# Altium PCB m-BLANC.PcbDoc (part 11 of 15)
Units mm, origin at the board's own origin, x right, y up, seen from the top; angles counter-clockwise.
Board outline 100 x 100 mm, 6 copper layers (Top Layer, InLayer1 (GND), InLayer2 (Signal), InLayer3 (PWR), InLayer4 (GND), Bottom Layer), stack 1.634 mm thick; 322 components, 563 nets, 2865 pads, 1870 vias.
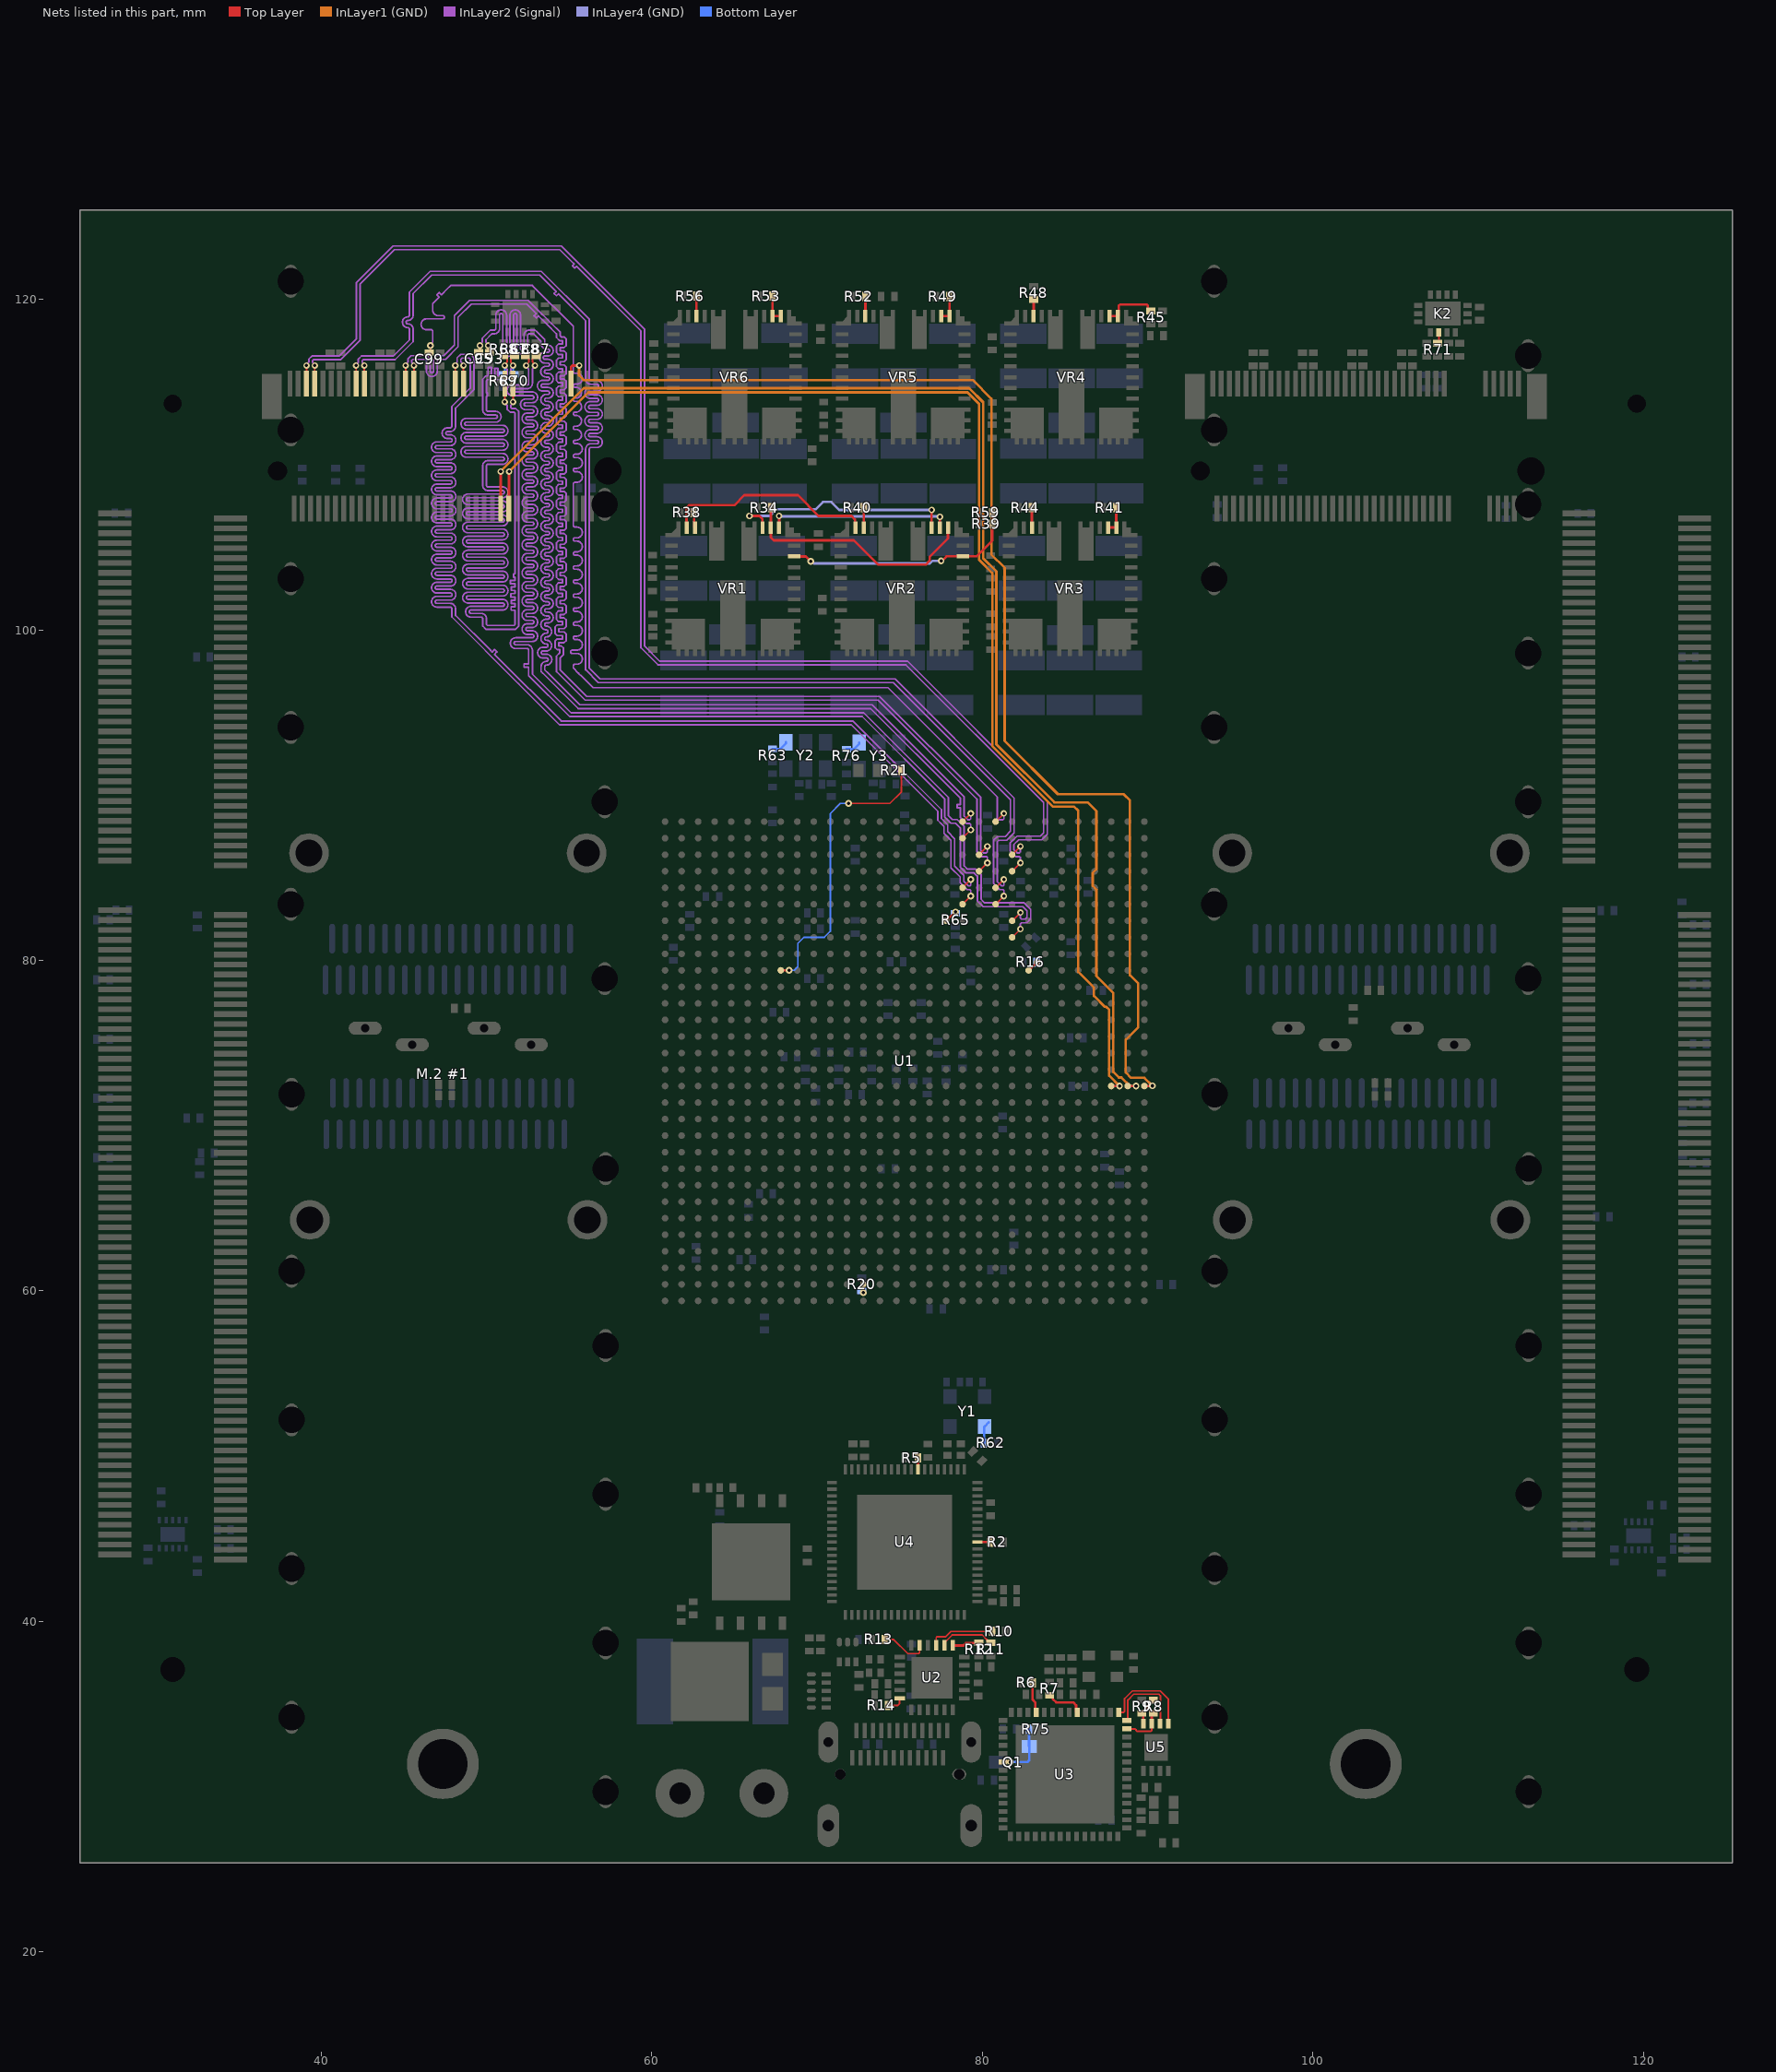
[diagram p15: the nets of this part, all layers, seen from the top]

## Via types
v1: diameter 0.4, hole 0.2, Top Layer to Bottom Layer, tented both sides, 1808 vias
v2: diameter 0.8, hole 0.4, Top Layer to Bottom Layer, tented both sides, 54 vias
v3: diameter 5, hole 3.2, Top Layer to Bottom Layer, 4 vias
v4: diameter 3.5, hole 3.2, Top Layer to Bottom Layer, 4 vias

## Nets (pads, with @x,y where several pads share a name; then routed paths per layer and width w, separated by ;. In a path a pad name is that pad's centre, name@x,y a point inside that pad or via, vN(x,y) a via of type N, cw(c..) or ccw(c..) an arc to the next point about the centre after c; other vN are vias at no path point) (continued)
NetK2_9: K2.9 R71.2 | length 0.7
  Top Layer w0.1: K2.9@107.62,117.992 107.624,117.988 R71.2@107.624,117.425
  Top Layer w0.15: R71.2@107.549,117.35 R71.2@107.62,117.421
NetQ1_1: Q1.1 R75.1 U3.20 | length 3.5
  Top Layer w0.15: U3.20@81.247,31.5 v1@81.707,31.5
  Bottom Layer w0.15: v1(81.707,31.5) 82.75,31.5 82.838,31.588 Q1.1@82.838,32.433 82.827,32.444 R75.1@82.827,33.493
NetR2_1: R2.1 U4.10 | length 0.8
  Top Layer w0.15: U4.10@79.703,44.797 U4.10@79.7,44.8 R2.1@80.5,44.8
NetR5_1: R5.1 U4.27 | length 0.8
  Top Layer w0.15: U4.27@76.1,49.2 R5.1@76.1,50
NetR6_2: R6.2 U3.11 | length 1.9
  Top Layer w0.15: R6.2@83.037,36.286 83.037,35.266 83.2,35.103 83.2,34.547 U3.11@83.247,34.5
NetR7_2: R7.2 U3.6 | length 2.4
  Top Layer w0.15: R7.2@84.07,35.535 84.145,35.535 84.27,35.41 84.27,35.291 84.462,35.1 85.5,35.1 85.672,34.928 85.672,34.575 U3.6@85.747,34.5
NetR8_1: R8.1 U3.55 U5.3 | length 2.7
  Top Layer w0.1: U3.55@88.747,33.5 89.245,33.5 89.304,33.441 89.304,33.407 89.362,33.349 90.193,33.349 90.252,33.407 U5.3@90.252,33.821
  Top Layer w0.15: U5.3@90.252,33.821 90.252,34.345 R8.1@90.348,34.441
NetR8_2: R8.2 R9.1 U5.4 | length 2.1
  Top Layer w0.15: U5.4@89.747,33.67 89.735,33.682 89.735,33.821 89.735,34.455 R9.1@89.72,34.44 ; R8.2@90.348,35.241 90.273,35.241 90.148,35.116 90.148,34.994 89.845,34.691 89.845,34.565 R9.1@89.72,34.44 ; R9.1@89.72,34.44 R9.1@89.645,34.44 R9.1@89.72,34.44
NetR10_2: R10.2 U2.15 | length 4.1
  Top Layer w0.1: U2.15@77.203,38.644 77.203,39.02 77.261,39.078 77.78,39.078 78.102,39.4 R10.2@80.739,39.4
NetR11_1: R11.1 U2.14 | length 3.4
  Top Layer w0.1: U2.14@77.703,38.718 77.703,38.741 77.785,38.823 77.807,38.823 78.17,39.185 79.999,39.185 80.283,38.902 80.283,38.859 80.433,38.709 R11.1@80.508,38.709
  Top Layer w0.15: U2.14@77.703,38.548 U2.14@77.703,38.741
NetR12_1: R12.1 U2.13 | length 1.6
  Top Layer w0.15: U2.13@78.206,38.545 78.845,38.545 78.995,38.695 R12.1@79.73,38.695
NetR13_2: R13.2 U2.17 | length 2.9
  Top Layer w0.1: R13.2@74.11,38.913 74.121,38.902 74.636,38.902 75.487,38.052 76.141,38.052 76.2,38.11 76.2,38.545 U2.17@76.203,38.548
NetR14_2: R14.2 U2.24 | length 1.1
  Top Layer w0.1: R14.2@74.28,34.921 74.892,34.921 74.98,35.009 U2.24@74.98,35.325
NetR16_1: R16.1 U1.H10 | length 0.7
  Top Layer w0.15: U1.H10@82.8,79.4 82.8,79.403 83.3,79.903 v1@83.3,79.907
  other v1: 83.3,79.9
NetR20_1: R20.1 U1.V29 | length 0.5
  Top Layer w0.15: v1(72.8,59.9) U1.V29@72.8,60.4
NetR21_2: R21.2 U1.AC10 | length 18.1
  Top Layer w0.1: v1(71.9,89.5) 74.4,89.5 75.1,90.2 R21.2@75.1,91.5
  Top Layer w0.15: U1.AC10@67.8,79.4 v1(68.3,79.4)
  Bottom Layer w0.1: v1(68.3,79.4) 68.612,79.4 68.835,79.623 68.835,81.035 69.2,81.4 70.434,81.4 70.8,81.766 70.8,88.895 71.405,89.5 v1(71.9,89.5)
NetR34_2: R34.2 VR1.36 VR2.35 | length 14.7
  Top Layer w0.15: R34.2@67.2,107.401 VR1.36@67.2,106.2 67.2,105.6 67.375,105.425 72.222,105.425 73.698,103.95 76.572,103.95 76.808,104.186 76.808,104.421 77.92,105.533 VR2.35@77.92,106.2
NetR38_1: R38.1 VR1.43 | length 0.9
  Top Layer w0.15: R38.1@62.519,107.097 62.56,107.057 62.56,106.24 VR1.43@62.6,106.2
NetR39_1: R39.1 R59.1 VR1.31 VR2.31 | length 14.4
  Top Layer w0.15: VR1.31@68.6,104.45 68.609,104.441 69.322,104.441 v1(69.611,104.152) ; v1(77.5,104.175) 77.551,104.175 77.826,104.45 VR2.31@78.82,104.45 79.65,104.45 80.597,105.397 80.597,106.444 80.602,106.449 80.602,107.098 R59.1@80.6,107.1
  InLayer4 (GND) w0.15: v1(69.611,104.152) 69.678,104.152 69.805,104.025 76.825,104.025 76.975,104.175 v1(77.5,104.175)
NetR40_1: R40.1 VR2.43 | length 1.2
  Top Layer w0.15: VR2.43@72.82,106.2 R40.1@72.82,107.401
NetR41_2: R41.2 VR3.35 VR3.36 | length 1.7
  Top Layer w0.15: VR3.36@87.6,106.2 88.098,106.2 VR3.35@88.1,106.2 88.099,107.4 R41.2@88.098,107.401
NetR44_1: R44.1 VR3.43 | length 1.2
  Top Layer w0.15: R44.1@82.993,107.401 82.996,107.397 82.996,106.204 VR3.43@83,106.2
NetR45_2: R45.2 VR4.35 VR4.36 | length 3.3
  Top Layer w0.15: VR4.36@87.7,118.993 VR4.35@88.2,118.993 88.25,119.043 88.25,119.612 88.338,119.7 89.931,119.7 90.019,119.612 90.019,119.381 R45.2@90.1,119.3 ; VR4.36@87.7,119.068 VR4.36@87.701,119.069
NetR48_1: R48.1 VR4.43 | length 1
  Top Layer w0.15: VR4.43@83.1,118.993 R48.1@83.1,120
NetR49_2: R49.2 VR5.35 VR5.36 | length 1.7
  Top Layer w0.15: VR5.36@77.52,118.993 77.97,118.993 78.02,119.043 78.02,119.068 78.007,119.08 78.007,120.161 R49.2@77.995,120.174
NetR52_1: R52.1 VR5.43 | length 1
  Top Layer w0.15: VR5.43@72.92,119.068 R52.1@72.92,120.08
NetR53_2: R53.2 VR6.35 VR6.36 | length 1.6
  Top Layer w0.15: VR6.36@67.3,118.993 VR6.35@67.8,118.993 ; VR6.36@67.3,119.068 R53.2@67.3,120.2
NetR56_1: R56.1 VR6.43 | length 1.3
  Top Layer w0.15: R56.1@62.55,120.2 R56.1@62.6,120.2 ; VR6.43@62.7,119.068 62.7,120.1 R56.1@62.6,120.2 ; R56.1@62.7,120.2 R56.1@62.6,120.2
NetR62_2: R62.2 Y1.1 | length 1.4
  Bottom Layer w0.15: R62.2@80.1,50.8 80.1,51.762 Y1.1@80.138,51.8 Y1.1@80.382,52.043
NetR63_1: R63.1 Y2.1 | length 1
  Bottom Layer w0.15: R63.1@67.3,92.8 67.775,92.8 68.1,93.125 Y2.1@68.1,93.2
NetR65_1: R65.1 U1.N7 | length 0.8
  Top Layer w0.15: U1.N7@77.8,82.4 77.816,82.4 78.356,82.94 v1(78.372,82.94)
NetR76_1: R76.1 Y3.1 | length 1
  Bottom Layer w0.15: R76.1@71.771,92.786 72.225,92.786 72.55,93.111 Y3.1@72.55,93.189
NetU3_1: U3.1 U5.1 | length 5.7
  Top Layer w0.1: U3.1@88.247,34.5 88.543,34.5 88.601,34.559 88.601,35.327 89.074,35.8 90.76,35.8 91.247,35.313 U5.1@91.247,33.821
NetU3_56: U3.56 U5.2 | length 5.2
  Top Layer w0.1: U3.56@88.747,34 88.801,34.055 88.801,35.244 89.157,35.6 90.677,35.6 90.773,35.503 U5.2@90.773,33.697
NetVR1_35: VR1.35 VR2.36 | length 11.1
  Top Layer w0.15: VR1.35@67.7,106.2 v1(67.7,106.9) ; VR2.36@77.42,106.2 77.423,106.203 77.423,106.839 v1(77.427,106.842)
  InLayer4 (GND) w0.15: v1(67.7,106.9) 67.729,106.871 77.398,106.871 v1(77.427,106.842)
NetVR1_37: VR1.37 VR2.37 | length 14
  Top Layer w0.15: v1(65.9,106.9) 66.5,106.9 66.691,106.709 66.691,106.209 VR1.37@66.7,106.2 ; VR2.37@76.92,106.2 76.928,106.208 76.928,107.256 v1(76.935,107.264)
  InLayer4 (GND) w0.15: v1(65.9,106.9) 67.134,106.9 67.534,107.3 69.9,107.3 70.343,107.743 70.857,107.743 71.336,107.264 v1(76.935,107.264)
NetVR1_44: VR1.44 VR2.44 | length 12.8
  Top Layer w0.15: VR1.44@62.1,106.2 62.1,107.4 62.247,107.547 64.992,107.547 65.595,108.15 68.836,108.15 70.086,106.9 72.076,106.9 72.289,106.687 72.289,106.231 VR2.44@72.32,106.2
PCIe1_CKRQ: "M.2 #1.52" U1.B17 | length 81.3
  Top Layer w0.15: 50.85,107.35 v1(50.85,109.582) ; U1.B17@88.8,72.4 v1(89.3,72.4)
  InLayer1 (GND) w0.15: v1(50.85,109.582) 50.85,109.603 51.204,109.957 55.871,114.623 79.204,114.623 80.05,113.777 80.05,104.343 80.85,103.543 80.85,93.074 84.362,89.562 86.38,89.562 86.9,89.042 86.9,85.522 86.675,85.297 86.675,84.512 86.9,84.287 86.9,79.055 87.35,78.605 87.916,78.039 87.916,77.128 87.925,77.119 87.925,73.245 88.254,72.915 88.414,72.915 88.929,72.4 v1(89.3,72.4)
PCIe1_CLK_N: "M.2 #1.53" R67.1 R70.2 | length 95.4
  Top Layer w0.1: v1(51.1,113.8) 51.1,114.9 ; v1(51.6,116) 51.6,116.071 51.462,116.209 51.462,116.446 51.612,116.596 R67.1@51.685,116.596
  InLayer2 (Signal) w0.1: 49.989,100.392 49.989,100.327 50.048,100.269 51.661,100.269 51.665,100.273 51.719,100.327 51.719,101.146 51.719,101.196 51.484,101.196 51.484,101.396 51.719,101.396 51.719,101.596 51.494,101.596 51.494,101.796 51.719,101.796 51.719,101.996 51.464,101.996 51.464,102.196 51.719,102.196 51.719,102.396 51.494,102.396 51.494,102.596 51.719,102.596 51.719,102.796 51.44,102.796 51.44,102.996 51.719,102.996 51.719,103.196 51.633,103.196 51.633,103.396 51.719,103.396 51.719,103.795 51.719,113.116 51.661,113.175 51.428,113.175 51.237,113.365 51.237,113.591 51.1,113.729 v1(51.1,113.8) ; 49.989,100.392 49.989,100.678 ccw(c49.664,100.678) 49.664,101.003 49.052,101.003 cw(c49.052,101.103) 48.952,101.103 cw(c49.052,101.103) 49.052,101.203 50.969,101.203 ccw(c50.969,101.528) 51.294,101.528 ccw(c50.969,101.528) 50.969,101.853 48.876,101.853 cw(c48.876,101.953) 48.776,101.953 cw(c48.876,101.953) 48.876,102.053 50.969,102.053 ccw(c50.969,102.378) 51.294,102.378 ccw(c50.969,102.378) 50.969,102.703 48.876,102.703 cw(c48.876,102.803) 48.776,102.803 cw(c48.876,102.803) 48.876,102.903 50.969,102.903 ccw(c50.969,103.228) 51.294,103.228 ccw(c50.969,103.228) 50.969,103.553 48.876,103.553 cw(c48.876,103.653) 48.776,103.653 cw(c48.876,103.653) 48.876,103.753 50.969,103.753 ccw(c50.969,104.078) 51.294,104.078 ccw(c50.969,104.078) 50.969,104.403 48.876,104.403 cw(c48.876,104.503) 48.776,104.503 cw(c48.876,104.503) 48.876,104.603 50.969,104.603 ccw(c50.969,104.928) 51.294,104.928 ccw(c50.969,104.928) 50.969,105.253 48.876,105.253 cw(c48.876,105.353) 48.776,105.353 cw(c48.876,105.353) 48.876,105.453 50.969,105.453 ccw(c50.969,105.778) 51.294,105.778 ccw(c50.969,105.778) 50.969,106.103 48.876,106.103 cw(c48.876,106.203) 48.776,106.203 cw(c48.876,106.203) 48.876,106.303 50.969,106.303 ccw(c50.969,106.628) 51.294,106.628 ccw(c50.969,106.628) 50.969,106.953 48.876,106.953 cw(c48.876,107.053) 48.776,107.053 cw(c48.876,107.053) 48.876,107.153 50.969,107.153 ccw(c50.969,107.478) 51.294,107.478 ccw(c50.969,107.478) 50.969,107.803 48.876,107.803 cw(c48.876,107.903) 48.776,107.903 cw(c48.876,107.903) 48.876,108.003 50.969,108.003 ccw(c50.969,108.328) 51.294,108.328 ccw(c50.969,108.328) 50.969,108.653 50.089,108.653 cw(c50.089,108.753) 49.989,108.753 49.989,108.916 49.989,109.384 49.989,109.928 cw(c50.089,109.928) 50.089,110.028 50.969,110.028 ccw(c50.969,110.353) 51.294,110.353 ccw(c50.969,110.353) 50.969,110.678 48.776,110.678 cw(c48.776,110.778) 48.676,110.778 cw(c48.776,110.778) 48.776,110.878 50.969,110.878 ccw(c50.969,111.203) 51.294,111.203 ccw(c50.969,111.203) 50.969,111.528 48.776,111.528 cw(c48.776,111.628) 48.676,111.628 cw(c48.776,111.628) 48.776,111.728 50.969,111.728 ccw(c50.969,112.053) 51.294,112.053 ccw(c50.969,112.053) 50.969,112.378 48.776,112.378 cw(c48.776,112.478) 48.676,112.478 cw(c48.776,112.478) 48.776,112.578 50.549,112.578 ccw(c50.549,112.903) 50.874,112.903 ccw(c50.549,112.903) 50.549,113.228 50.089,113.228 cw(c50.089,113.328) 49.989,113.328 49.989,113.49 49.989,113.895 49.989,114.145 50.041,114.145 50.041,114.345 49.989,114.345 49.989,114.7 49.989,115.081 50.048,115.14 51.272,115.14 51.462,115.33 51.462,115.791 51.6,115.929 v1(51.6,116)
  Bottom Layer w0.1: v1(51.6,116) 51.6,115.533 R70.2@51.664,115.469
PCIe1_CLK_P: "M.2 #1.55" R68.1 R69.2 | length 95.4
  Top Layer w0.1: R68.1@51.035,116.598 51.087,116.598 51.237,116.448 51.237,116.209 51.1,116.071 v1(51.1,116) ; v1(51.6,113.8) 51.6,114.9
  InLayer2 (Signal) w0.1: 49.764,100.392 49.764,100.234 49.769,100.23 49.955,100.044 51.754,100.044 51.944,100.234 51.944,113.21 51.754,113.4 51.521,113.4 51.463,113.459 51.463,113.591 51.6,113.729 v1(51.6,113.8) ; 49.764,100.392 49.764,100.678 ccw(c49.664,100.678) 49.664,100.778 49.052,100.778 cw(c49.052,101.103) 48.727,101.103 cw(c49.052,101.103) 49.052,101.428 50.969,101.428 ccw(c50.969,101.528) 51.069,101.528 ccw(c50.969,101.528) 50.969,101.628 48.876,101.628 cw(c48.876,101.953) 48.551,101.953 cw(c48.876,101.953) 48.876,102.278 50.969,102.278 ccw(c50.969,102.378) 51.069,102.378 ccw(c50.969,102.378) 50.969,102.478 48.876,102.478 cw(c48.876,102.803) 48.551,102.803 cw(c48.876,102.803) 48.876,103.128 50.969,103.128 ccw(c50.969,103.228) 51.069,103.228 ccw(c50.969,103.228) 50.969,103.328 48.876,103.328 cw(c48.876,103.653) 48.551,103.653 cw(c48.876,103.653) 48.876,103.978 50.969,103.978 ccw(c50.969,104.078) 51.069,104.078 ccw(c50.969,104.078) 50.969,104.178 48.876,104.178 cw(c48.876,104.503) 48.551,104.503 cw(c48.876,104.503) 48.876,104.828 50.969,104.828 ccw(c50.969,104.928) 51.069,104.928 ccw(c50.969,104.928) 50.969,105.028 48.876,105.028 cw(c48.876,105.353) 48.551,105.353 cw(c48.876,105.353) 48.876,105.678 50.969,105.678 ccw(c50.969,105.778) 51.069,105.778 ccw(c50.969,105.778) 50.969,105.878 48.876,105.878 cw(c48.876,106.203) 48.551,106.203 cw(c48.876,106.203) 48.876,106.528 50.969,106.528 ccw(c50.969,106.628) 51.069,106.628 ccw(c50.969,106.628) 50.969,106.728 48.876,106.728 cw(c48.876,107.053) 48.551,107.053 cw(c48.876,107.053) 48.876,107.378 50.969,107.378 ccw(c50.969,107.478) 51.069,107.478 ccw(c50.969,107.478) 50.969,107.578 48.876,107.578 cw(c48.876,107.903) 48.551,107.903 cw(c48.876,107.903) 48.876,108.228 50.969,108.228 ccw(c50.969,108.328) 51.069,108.328 ccw(c50.969,108.328) 50.969,108.428 50.089,108.428 cw(c50.089,108.753) 49.764,108.753 49.764,108.916 49.764,109.384 49.764,109.928 cw(c50.089,109.928) 50.089,110.253 50.969,110.253 ccw(c50.969,110.353) 51.069,110.353 ccw(c50.969,110.353) 50.969,110.453 48.776,110.453 cw(c48.776,110.778) 48.451,110.778 cw(c48.776,110.778) 48.776,111.103 50.969,111.103 ccw(c50.969,111.203) 51.069,111.203 ccw(c50.969,111.203) 50.969,111.303 48.776,111.303 cw(c48.776,111.628) 48.451,111.628 cw(c48.776,111.628) 48.776,111.953 50.969,111.953 ccw(c50.969,112.053) 51.069,112.053 ccw(c50.969,112.053) 50.969,112.153 48.776,112.153 cw(c48.776,112.478) 48.451,112.478 cw(c48.776,112.478) 48.776,112.803 50.549,112.803 ccw(c50.549,112.903) 50.649,112.903 ccw(c50.549,112.903) 50.549,113.003 50.089,113.003 cw(c50.089,113.328) 49.764,113.328 49.764,113.49 49.764,115.175 49.955,115.365 50.04,115.365 50.09,115.365 50.09,115.882 50.29,115.882 50.29,115.365 50.49,115.365 50.49,115.836 50.69,115.836 50.69,115.365 51.022,115.365 51.179,115.365 51.237,115.424 51.237,115.791 51.1,115.929 v1(51.1,116)
  Bottom Layer w0.1: R69.2@51.01,115.468 51.1,115.558 v1(51.1,116)
PCIe1_DET: "M.2 #1.69" U1.A17 | length 77.2
  Top Layer w0.15: 55.1,114.9 55.1,115.912 55.188,116 v1(55.6,116) ; U1.A17@89.8,72.4 89.807,72.407 90.283,72.407 v1(90.289,72.413)
  InLayer1 (GND) w0.15: v1(55.6,116) 55.6,115.4 55.877,115.123 79.411,115.123 80.55,113.984 80.55,104.568 81.35,103.768 81.35,93.281 84.569,90.062 88.538,90.062 88.925,89.675 88.925,79.1 89.428,78.597 89.428,75.955 88.675,75.202 88.675,73.225 89,72.9 89.803,72.9 v1(90.289,72.413)
PCIe1_PERST: "M.2 #1.54" U1.C17 | length 79.1
  Top Layer w0.15: 51.35,107.35 51.355,107.355 51.355,109.577 v1(51.36,109.582) ; U1.C17@87.8,72.4 v1(88.3,72.4)
  InLayer1 (GND) w0.15: v1(51.36,109.582) 56.151,114.373 79.1,114.373 79.8,113.673 79.8,104.239 80.6,103.439 80.6,92.97 84.258,89.312 85.544,89.312 85.8,89.057 85.8,79.306 86.751,78.355 86.751,77.849 87.4,77.2 87.491,77.2 87.675,77.016 87.675,73.025 v1(88.3,72.4)
PCIe1_RCLK_N: C88.1 U1.J7 | length 84.1
  Top Layer w0.1: C88.1@52.342,116.598 52.405,116.598 52.555,116.448 52.555,116.209 52.392,116.046 v1(52.392,116) ; U1.J7@81.8,82.4 v1(82.3,82.9)
  InLayer2 (Signal) w0.1: v1(52.392,116) 52.392,115.944 52.544,115.791 52.544,115.514 52.544,114.926 cw(c52.444,114.926) 52.444,114.826 51.56,114.826 ccw(c51.56,114.501) 51.235,114.501 ccw(c51.56,114.501) 51.56,114.176 52.761,114.176 cw(c52.761,114.076) 52.861,114.076 cw(c52.761,114.076) 52.761,113.976 52.369,113.976 ccw(c52.369,113.651) 52.044,113.651 ccw(c52.369,113.651) 52.369,113.326 52.761,113.326 cw(c52.761,113.226) 52.861,113.226 cw(c52.761,113.226) 52.761,113.126 52.469,113.126 ccw(c52.469,112.801) 52.144,112.801 ccw(c52.469,112.801) 52.469,112.476 52.76,112.476 cw(c52.76,112.376) 52.86,112.376 cw(c52.76,112.376) 52.76,112.276 52.469,112.276 ccw(c52.469,111.951) 52.144,111.951 ccw(c52.469,111.951) 52.469,111.626 52.76,111.626 cw(c52.76,111.526) 52.86,111.526 cw(c52.76,111.526) 52.76,111.426 52.469,111.426 ccw(c52.469,111.101) 52.144,111.101 ccw(c52.469,111.101) 52.469,110.776 52.76,110.776 cw(c52.76,110.676) 52.86,110.676 cw(c52.76,110.676) 52.76,110.576 52.469,110.576 ccw(c52.469,110.251) 52.144,110.251 ccw(c52.469,110.251) 52.469,109.926 52.759,109.926 cw(c52.759,109.826) 52.859,109.826 cw(c52.759,109.826) 52.759,109.726 52.469,109.726 ccw(c52.469,109.401) 52.144,109.401 ccw(c52.469,109.401) 52.469,109.076 52.759,109.076 cw(c52.759,108.976) 52.859,108.976 cw(c52.759,108.976) 52.759,108.876 52.469,108.876 ccw(c52.469,108.551) 52.144,108.551 ccw(c52.469,108.551) 52.469,108.226 52.759,108.226 cw(c52.759,108.126) 52.859,108.126 cw(c52.759,108.126) 52.759,108.026 52.469,108.026 ccw(c52.469,107.701) 52.144,107.701 ccw(c52.469,107.701) 52.469,107.376 52.758,107.376 cw(c52.758,107.276) 52.858,107.276 cw(c52.758,107.276) 52.758,107.176 52.469,107.176 ccw(c52.469,106.851) 52.144,106.851 ccw(c52.469,106.851) 52.469,106.526 52.758,106.526 cw(c52.758,106.426) 52.858,106.426 cw(c52.758,106.426) 52.758,106.326 52.469,106.326 ccw(c52.469,106.001) 52.144,106.001 ccw(c52.469,106.001) 52.469,105.676 52.758,105.676 cw(c52.758,105.576) 52.858,105.576 cw(c52.758,105.576) 52.758,105.476 52.469,105.476 ccw(c52.469,105.151) 52.144,105.151 ccw(c52.469,105.151) 52.469,104.826 52.758,104.826 cw(c52.758,104.726) 52.858,104.726 cw(c52.758,104.726) 52.758,104.626 52.469,104.626 ccw(c52.469,104.301) 52.144,104.301 ccw(c52.469,104.301) 52.469,103.976 52.759,103.976 cw(c52.759,103.876) 52.859,103.876 cw(c52.759,103.876) 52.759,103.776 52.469,103.776 ccw(c52.469,103.451) 52.144,103.451 ccw(c52.469,103.451) 52.469,103.126 52.759,103.126 cw(c52.759,103.026) 52.859,103.026 cw(c52.759,103.026) 52.759,102.926 52.469,102.926 ccw(c52.469,102.601) 52.144,102.601 ccw(c52.469,102.601) 52.469,102.276 52.76,102.276 cw(c52.76,102.176) 52.86,102.176 cw(c52.76,102.176) 52.76,102.076 52.469,102.076 ccw(c52.469,101.751) 52.144,101.751 ccw(c52.469,101.751) 52.469,101.426 52.76,101.426 cw(c52.76,101.326) 52.86,101.326 cw(c52.76,101.326) 52.76,101.226 52.469,101.226 ccw(c52.469,100.901) 52.144,100.901 ccw(c52.469,100.901) 52.469,100.576 52.761,100.576 cw(c52.761,100.476) 52.861,100.476 cw(c52.761,100.476) 52.761,100.376 52.469,100.376 ccw(c52.469,100.051) 52.144,100.051 ccw(c52.469,100.051) 52.469,99.726 52.762,99.726 cw(c52.762,99.626) 52.862,99.626 cw(c52.762,99.626) 52.762,99.526 51.763,99.526 ccw(c51.763,99.201) 51.438,99.201 ccw(c51.763,99.201) 51.763,98.876 52.444,98.876 cw(c52.444,98.776) 52.544,98.776 52.544,98.301 52.544,98.2 52.544,97.945 52.257,97.945 52.257,97.745 52.544,97.745 52.544,97.695 52.544,97.237 55.021,94.761 72.726,94.761 77.725,89.761 77.725,88.662 78.087,88.3 78.382,88.3 78.441,88.241 78.675,88.007 78.675,85.632 79.007,85.3 79.5,85.3 79.698,85.102 79.698,83.602 79.9,83.4 80.041,83.259 82.441,83.259 82.7,83 82.7,82.613 82.591,82.504 82.367,82.504 82.3,82.571 v1(82.3,82.9)
PCIe1_RCLK_P: C87.1 U1.J8 | length 83.9
  Top Layer w0.1: v1(52.922,116) 52.922,116.066 52.78,116.209 52.78,116.448 52.93,116.598 C87.1@52.993,116.598 ; U1.J8@81.8,81.4 v1(82.3,81.9)
  InLayer2 (Signal) w0.1: v1(52.922,116) 52.922,115.944 52.769,115.791 52.769,115.514 52.769,114.926 cw(c52.444,114.926) 52.444,114.601 51.56,114.601 ccw(c51.56,114.501) 51.46,114.501 ccw(c51.56,114.501) 51.56,114.401 52.761,114.401 cw(c52.761,114.076) 53.086,114.076 cw(c52.761,114.076) 52.761,113.751 52.369,113.751 ccw(c52.369,113.651) 52.269,113.651 ccw(c52.369,113.651) 52.369,113.551 52.761,113.551 cw(c52.761,113.226) 53.086,113.226 cw(c52.761,113.226) 52.761,112.901 52.469,112.901 ccw(c52.469,112.801) 52.369,112.801 ccw(c52.469,112.801) 52.469,112.701 52.76,112.701 cw(c52.76,112.376) 53.085,112.376 cw(c52.76,112.376) 52.76,112.051 52.469,112.051 ccw(c52.469,111.951) 52.369,111.951 ccw(c52.469,111.951) 52.469,111.851 52.76,111.851 cw(c52.76,111.526) 53.085,111.526 cw(c52.76,111.526) 52.76,111.201 52.469,111.201 ccw(c52.469,111.101) 52.369,111.101 ccw(c52.469,111.101) 52.469,111.001 52.76,111.001 cw(c52.76,110.676) 53.085,110.676 cw(c52.76,110.676) 52.76,110.351 52.469,110.351 ccw(c52.469,110.251) 52.369,110.251 ccw(c52.469,110.251) 52.469,110.151 52.759,110.151 cw(c52.759,109.826) 53.084,109.826 cw(c52.759,109.826) 52.759,109.501 52.469,109.501 ccw(c52.469,109.401) 52.369,109.401 ccw(c52.469,109.401) 52.469,109.301 52.759,109.301 cw(c52.759,108.976) 53.084,108.976 cw(c52.759,108.976) 52.759,108.651 52.469,108.651 ccw(c52.469,108.551) 52.369,108.551 ccw(c52.469,108.551) 52.469,108.451 52.759,108.451 cw(c52.759,108.126) 53.084,108.126 cw(c52.759,108.126) 52.759,107.801 52.469,107.801 ccw(c52.469,107.701) 52.369,107.701 ccw(c52.469,107.701) 52.469,107.601 52.758,107.601 cw(c52.758,107.276) 53.083,107.276 cw(c52.758,107.276) 52.758,106.951 52.469,106.951 ccw(c52.469,106.851) 52.369,106.851 ccw(c52.469,106.851) 52.469,106.751 52.758,106.751 cw(c52.758,106.426) 53.083,106.426 cw(c52.758,106.426) 52.758,106.101 52.469,106.101 ccw(c52.469,106.001) 52.369,106.001 ccw(c52.469,106.001) 52.469,105.901 52.758,105.901 cw(c52.758,105.576) 53.083,105.576 cw(c52.758,105.576) 52.758,105.251 52.469,105.251 ccw(c52.469,105.151) 52.369,105.151 ccw(c52.469,105.151) 52.469,105.051 52.758,105.051 cw(c52.758,104.726) 53.083,104.726 cw(c52.758,104.726) 52.758,104.401 52.469,104.401 ccw(c52.469,104.301) 52.369,104.301 ccw(c52.469,104.301) 52.469,104.201 52.759,104.201 cw(c52.759,103.876) 53.084,103.876 cw(c52.759,103.876) 52.759,103.551 52.469,103.551 ccw(c52.469,103.451) 52.369,103.451 ccw(c52.469,103.451) 52.469,103.351 52.759,103.351 cw(c52.759,103.026) 53.084,103.026 cw(c52.759,103.026) 52.759,102.701 52.469,102.701 ccw(c52.469,102.601) 52.369,102.601 ccw(c52.469,102.601) 52.469,102.501 52.76,102.501 cw(c52.76,102.176) 53.085,102.176 cw(c52.76,102.176) 52.76,101.851 52.469,101.851 ccw(c52.469,101.751) 52.369,101.751 ccw(c52.469,101.751) 52.469,101.651 52.76,101.651 cw(c52.76,101.326) 53.085,101.326 cw(c52.76,101.326) 52.76,101.001 52.469,101.001 ccw(c52.469,100.901) 52.369,100.901 ccw(c52.469,100.901) 52.469,100.801 52.761,100.801 cw(c52.761,100.476) 53.086,100.476 cw(c52.761,100.476) 52.761,100.151 52.469,100.151 ccw(c52.469,100.051) 52.369,100.051 ccw(c52.469,100.051) 52.469,99.951 52.762,99.951 cw(c52.762,99.626) 53.087,99.626 cw(c52.762,99.626) 52.762,99.301 51.763,99.301 ccw(c51.763,99.201) 51.663,99.201 ccw(c51.763,99.201) 51.763,99.101 52.444,99.101 cw(c52.444,98.776) 52.769,98.776 52.769,98.301 52.769,97.331 55.114,94.986 72.819,94.986 77.95,89.855 77.95,88.755 78.18,88.525 78.475,88.525 78.9,88.1 78.9,85.725 79.1,85.525 79.593,85.525 79.759,85.359 79.923,85.195 79.923,83.695 80.059,83.559 80.135,83.484 82.535,83.484 82.925,83.093 82.925,82.519 82.685,82.279 82.359,82.279 82.3,82.22 v1(82.3,81.9)